# Allegro board C000PD020-3399PRO-DMEB-A-A01.brd (continued)
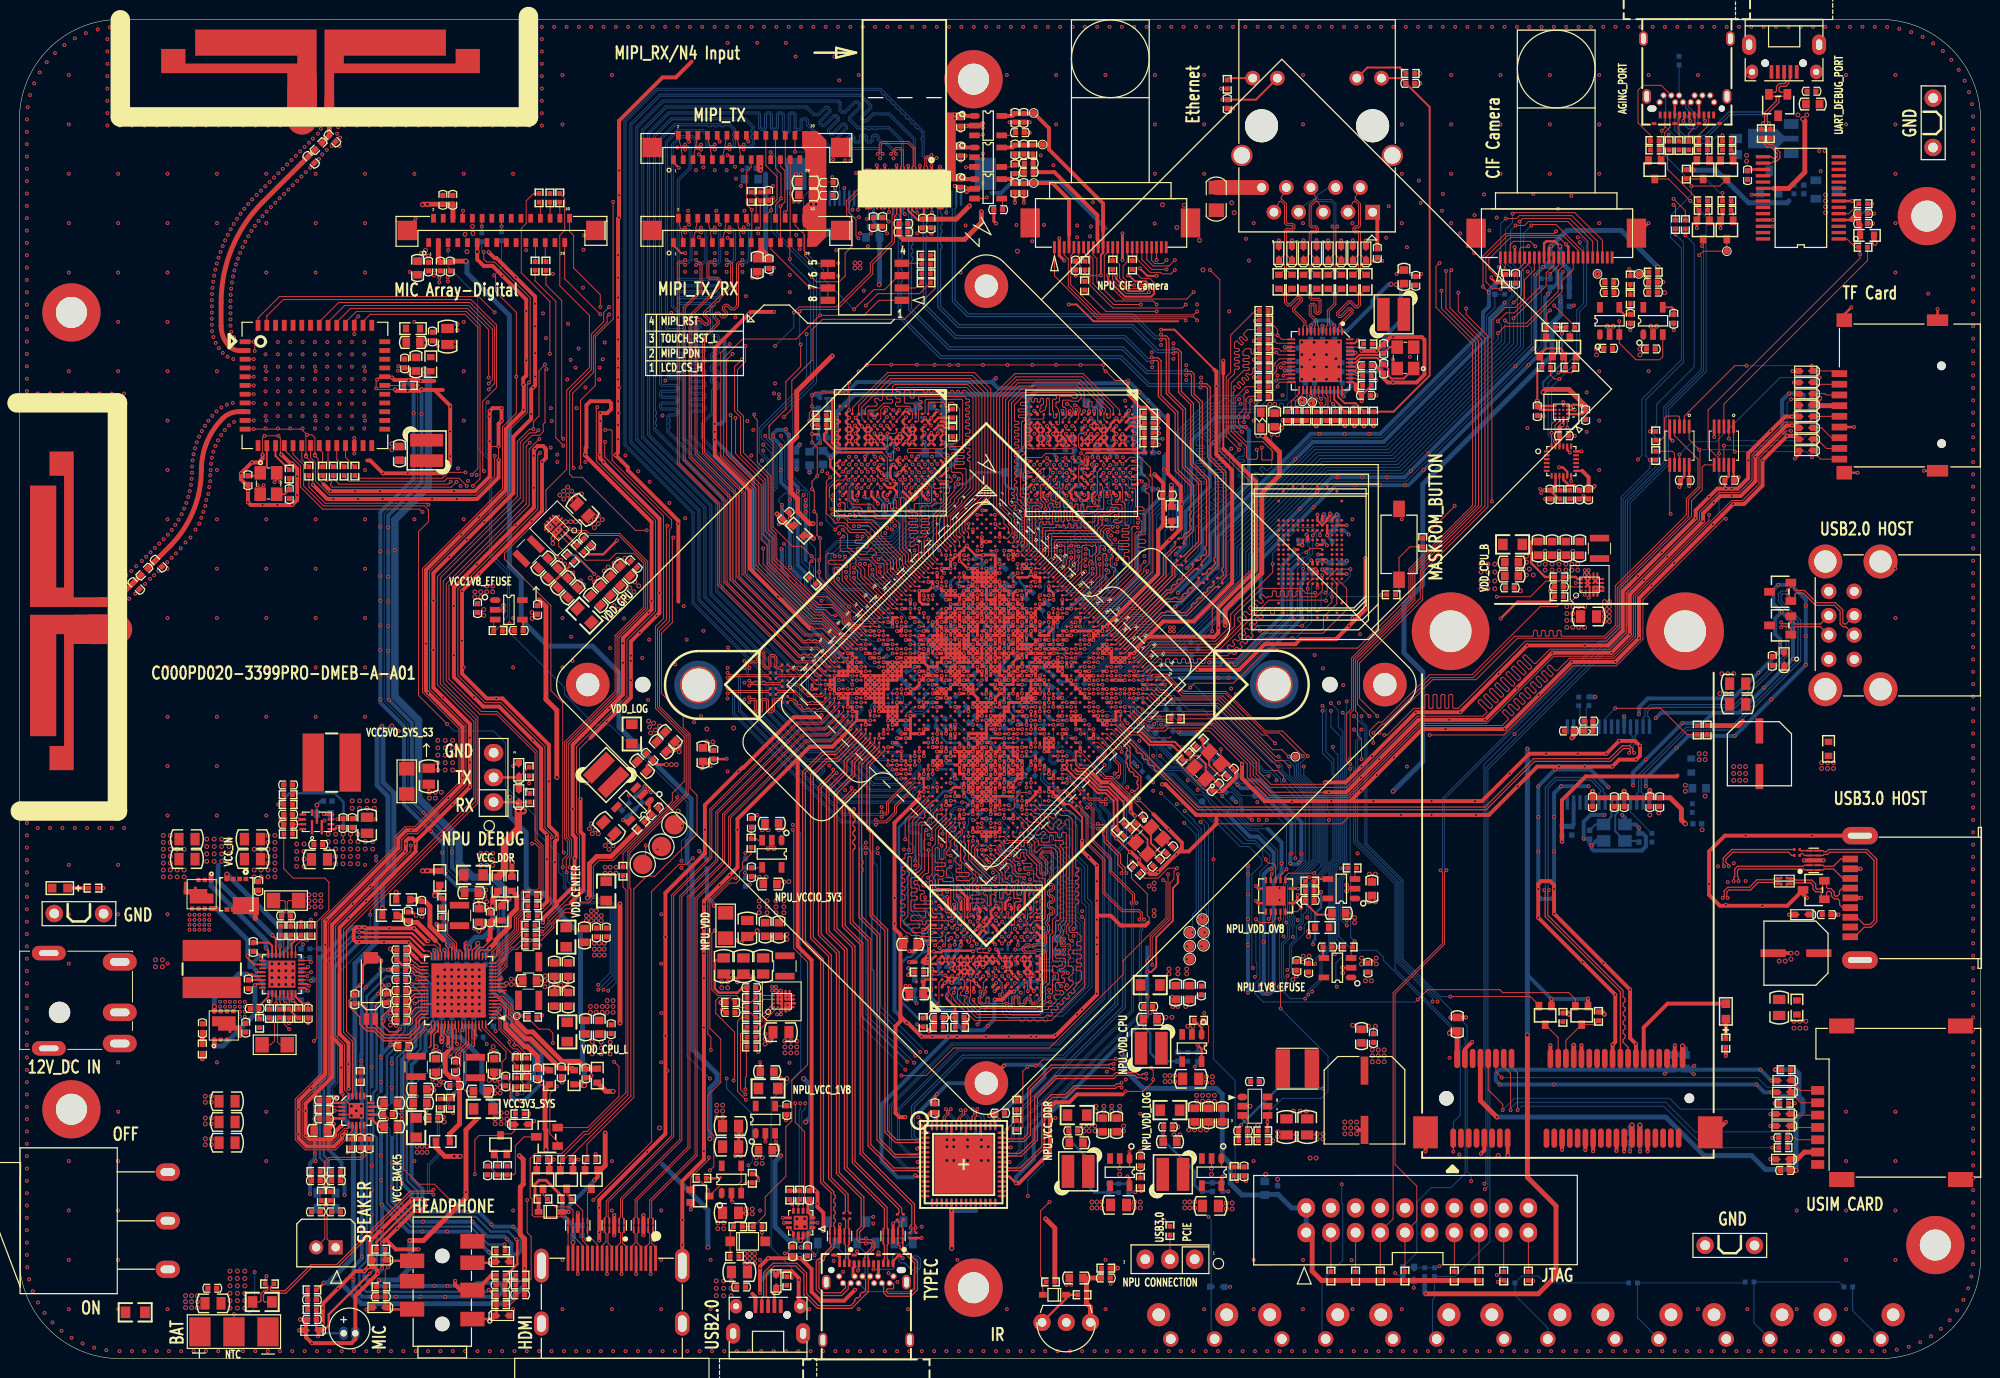
[diagram p0: board, top side]
## Routing (per net, layer and track width the routed paths; a pad name or vN(x,y) marks a point on that pad's centre or on a via; arc(x,y) is an arc through that point) (continued)
  TOP w0.305: v1(100.87,75.33) 100.41,75.33 U1000.N15 ; v1(100.87,75.33) U1000.N16 ; v1(100.87,75.33) 101.33,75.33 U1000.M16 ; U1000.P6 v1(95.36,79) ; U1000.P6 v1(96.27,79) U1000.P7 ; U1000.P6 v1(95.82,79.46) ; U1000.P6 95.82,78.54 ; v1(95.36,79) U1000.R5 v1(94.9,79.46) ; v1(95.36,79) U1000.R6 95.82,78.54 ; U1000.N21 103.17,72.11 v1(103.17,72.11) U1000.P21 102.71,72.57 v1(102.71,72.57) ; U1000.J9 99.49,79.92 99.03,79.92 ; U1000.J9 99.95,79.92 ; U1000.J9 99.49,80.38 ; U1000.J9 v1(99.49,79.46) ; U1000.AC18 v1(97.65,69.35) ; U1000.AC18 v1(96.73,69.35) ; U1000.AC18 v1(97.19,68.89) U1000.AC19 ; v1(97.65,69.35) U1000.AC19 ; v1(97.65,69.35) 98.11,69.35 98.11,68.95 ; U1000.AP8 v1(87.08,68.89) ; U1000.AP8 v1(87.54,68.43) ; U1000.AP8 v1(87.54,69.35) ; U1000.AP8 v1(88,68.89) ; v1(87.08,68.89) U1000.AR7 ; v1(87.08,68.89) 87.08,68.43 U1000.AR8 ; v1(87.08,68.89) 87.08,69.35 ; 101.79,67.05 U1000.Y25 102.25,67.51 U1000.W26 v1(103.17,67.51) ; 101.79,67.05 U1000.AA25 101.33,66.59 ; 101.79,67.05 U1000.AA26 101.33,66.59 ; U1000.AU3 v1(83.87,70.27) U1000.AT3 ; U1000.AU3 83.87,69.35 ; U1000.AU3 83.41,69.81 U1000.AV3 ; U1000.AN3 v1(85.7,72.11) ; U1000.AN3 v1(85.7,71.19) ; U1000.AN3 v1(85.24,71.65) 85.27,71.63 85.27,71.18 ; v1(85.7,72.11) U1000.AM3 ; v1(85.7,72.11) U1000.AM2 v1(85.24,72.57) ; U3100.H10 98.6,44.38 v1(98.6,44.22) 98.55,44.22 98.19,43.86 U3100.G9 ; v1(88.92,67.05) U1000.AR11 ; v1(88.92,67.05) 88.92,67.05 ; v1(88.92,67.05) 88.92,67.05 ; v1(88.92,67.05) U1000.AP12 ; U1000.AR11 v1(88.46,66.59) U1000.AR12 ; U1000.AR11 88.46,67.51 ; v1(113.5,115.78) J4800.15 v1(113.5,113.04) ; U1000.AL26 v1(97.19,61.54) U1000.AM26 ; U1000.AL26 96.73,62 ; U1000.AL26 v1(97.65,62) U1000.AK26 ; U1000.AL26 v1(97.19,62.46) ; U1000.AC25 v1(100.41,65.68) ; U1000.AC25 100.87,66.14 ; U1000.AC25 v1(99.95,66.14) U1000.AD25 ; v1(100.41,65.68) 99.95,65.68 U1000.AD25 ; v1(100.41,65.68) U1000.AD26 ; v1(100.41,65.68) 100.87,65.68 U1000.AC26 ; U1000.AT30 96.28,57.86 v1(96.27,57.86) ; U1000.AF16 v1(94.44,68.89) 94.44,68.43 U1000.AG16 ; U1000.AF16 v1(95.36,68.89) ; U1000.AF16 v1(94.9,68.43) ; 93.06,72.1 93.04,72.11 92.14,72.11 ; 93.06,72.1 U1000.AD10 v1(92.6,72.57) v1(92.6,71.65) ; 93.06,72.1 U1000.AE11 ; v1(87.54,69.35) 87.08,69.35 ; v1(87.54,69.35) U1000.AN8 ; v1(87.54,69.35) U1000.AN7 ; 87.08,69.35 v1(87.08,69.81) ; U1000.AL9 89.38,69.35 ; U1000.AL9 v1(89.38,70.27) ; U1000.AL9 88.92,69.81 ; U1000.AL9 89.84,69.81 ; 89.38,69.35 U1000.AM9 ; 89.38,69.35 U1000.AM10 88.92,68.89 ; 96.73,62 U1000.AM26 ; 96.73,62 96.73,62.46 ; v1(111.44,65.68) U1000.M38 v1(111.9,65.22) U1000.L38 ; v1(111.44,65.68) U1000.L38 ; v1(111.44,65.68) U1000.M37 v1(110.98,66.14) U1000.M36 ; U1000.AC17 96.73,70.27 v1(96.73,70.27) ; U1000.AC17 v1(96.73,69.35) ; U1000.AC17 v1(96.27,69.81) ; U1000.AV24 v1(92.6,59.7) U1000.AV23 ; U1000.AL30 v1(99.03,59.7) 98.57,59.7 U1000.AM30 ; U1000.AL30 v1(99.03,60.62) ; U1000.AL30 v1(99.49,60.16) U1000.AK30 ; U1000.AL30 v1(98.57,60.16) ; U1000.AT3 84.32,70.73 U1000.AR3 ; U1000.AT3 84.78,70.27 ; v1(105.93,63.84) U1000.Y34 ; v1(105.93,63.84) 106.39,63.84 v1(106.39,63.38) ; v1(105.93,63.84) U1000.Y33 105.47,63.84 105.47,63.38 ; U1000.Y34 105.47,63.38 ; U1000.Y34 105.93,63.38 U1000.AA35 v1(105.47,62.46) U1000.AA34 ; U1000.Y34 v1(106.39,63.38) ; 85.7,70.73 85.7,70.74 v1(85.7,71.19) ; 85.7,70.73 85.27,70.73 ; 85.7,70.73 v1(86.16,70.73) ; U1000.AG9 91.22,71.19 ; U1000.AG9 v1(91.22,72.11) U1000.AF9 ; U1000.AG9 91.68,71.65 ; U1000.AG9 v1(90.76,71.65) ; 91.22,71.19 U1000.AG10 91.68,71.65 ; 91.22,71.19 U1000.AH9 ; U1000.AG26 99.03,64.3 ; U1000.AG26 v1(99.03,63.38) 99.03,63.38 U1000.AH26 ; U1000.AG26 98.57,63.84 v1(98.57,63.84) ; U1000.AG26 99.49,63.84 U1000.AF26 ; 99.03,64.3 U1000.AG25 ; 99.03,64.3 U1000.AF26 ; U1000.Y10 v1(94.9,74.87) U1000.W9 94.9,75.33 v1(94.44,75.33) ; U1000.Y10 U1000.AA9 v1(93.98,73.95) ; U1000.Y10 U1000.AA11 ; C4810.2 v1(102.95,122.08) ; 95.82,72.57 U1000.Y12 ; 95.82,72.57 U1000.Y14 ; 95.82,72.57 U1000.AA13 ; U1000.Y12 96.27,73.49 ; U1000.Y12 v1(95.82,73.95) ; U1000.Y12 U1000.AA11 ; U1000.AJ21 v1(95.82,64.76) ; U1000.AC26 101.33,65.68 v1(101.33,65.68) U1000.AB26 ; U1000.AC26 100.87,66.14 ; U1000.AC26 v1(100.87,65.22) U1000.AD26 ; U1000.AM26 v1(96.73,61.08) ; v1(94.44,61.54) U1000.AP24 v1(94.9,61.05) 94.87,61.08 U1000.AR24 ; v1(94.44,61.54) U1000.AP23 ; v1(94.44,61.54) U1000.AR24 ; v1(94.44,61.54) U1000.AR23 v1(93.98,61.08) U1000.AR24 ; U1000.AA11 v1(94.44,73.49) ; U1000.AA11 94.9,73.03 v1(94.9,73.03) ; v1(94.44,73.49) U1000.AA10 ; v1(94.44,73.49) 94.44,73.03 U1000.AB11 ; v1(94.44,73.49) U1000.AB10 ; U1000.AA5 v1(91.68,76.25) ; 88.92,67.05 U1000.AP11 ; 88.92,67.05 U1000.AR12 ; v1(99.03,73.49) U1000.U15 v1(98.57,73.95) U1000.U14 ; v1(99.03,73.49) U1000.T16 v1(99.49,73.95) ; v1(99.03,73.49) U1000.U16 U1000.V17 ; U1000.L38 v1(112.36,65.68) 112.36,65.68 U1000.K39 112.82,66.59 U1000.J38 v1(113.28,66.59) ; U1000.AC3 89.84,76.25 U1000.AD3 ; U1000.AA12 96.27,73.03 U1000.Y13 ; U1000.AA12 95.36,73.03 U1000.Y11 ; U1000.AA12 95.36,72.57 ; U1000.AA12 v1(94.9,73.03) ; v1(98.57,60.16) U1000.AL29 98.57,60.62 v1(99.03,60.62) ; v1(98.57,60.16) U1000.AM30 ; v1(98.57,60.16) U1000.AM29 v1(98.11,59.7) ; v1(96.73,69.35) U1000.AD17 ; v1(92.6,71.65) U1000.AE11 ; v1(92.6,71.65) U1000.AF10 ; 99.49,65.22 U1000.AF26 ; 99.49,65.22 v1(99.49,65.68) U1000.AD25 ; 99.49,65.22 v1(99.95,65.22) ; U1000.AD3 v1(89.84,75.33) ; U1000.AD3 v1(89.38,75.79) ; v1(99.95,58.78) U1000.AM33 ; v1(99.95,58.78) U1000.AL32 v1(100.41,59.24) U1000.AK32 v1(100.87,59.7) U1000.AJ32 v1(101.33,60.16) U1000.AH32 v1(101.33,61.08) U1000.AG31 ; v1(99.95,58.78) 99.95,58.78 U1000.AM32 v1(99.49,58.32) ; U1000.AM33 v1(99.49,58.32) ; U1000.AM33 v1(99.95,57.86) ; C2608.2 v1(81.92,17.28) ; v1(87.54,70.27) U1000.AN7 ; v1(87.54,70.27) U1000.AM7 ; v1(87.54,70.27) U1000.AN6 ; U1000.AN7 v1(87.08,69.81) ; U1000.AN7 v1(88,69.81) ; U1000.AM38 v1(102.25,55.56) U1000.AN38 ; v1(88.46,69.35) U1000.AN8 ; v1(88.46,69.35) U1000.AM8 ; v1(88.46,69.35) U1000.AM9 ; v1(88.46,69.35) U1000.AN9 ; U1000.AN8 v1(88,68.89) ; U1000.AN8 v1(88,69.81) ; U1000.U27 v1(104.55,67.97) ; U1000.U27 103.63,67.97 ; U1000.U27 v1(104.09,67.51) U1000.V27 ; U1000.U27 v1(104.09,68.43) ; 85.27,70.73 85.24,70.71 U1000.AR4 84.78,70.27 ; 85.27,70.73 U1000.AR3 ; 85.27,70.73 85.27,71.18 ; U1000.C9 102.7,82.68 v1(102.71,82.68) ; U1000.C9 102.25,82.22 v1(102.25,82.22) ; U1000.C9 v1(102.25,83.01) 102.12,83.14 U1000.C8 ; U1000.AG25 v1(98.57,63.84) ; U1000.AG25 U1000.AH24 v1(97.65,63.84) v1(98.57,63.84) ; v1(98.57,63.84) U1000.AH26 ; v1(100.41,72.11) U1000.T19 ; v1(100.41,72.11) U1000.U19 ; v1(100.41,72.11) U1000.T18 v1(100.41,73.03) 100.41,73.03 U1000.R18 v1(100.87,73.49) U1000.P17 v1(100.87,74.41) ; U1000.B27 v1(111.44,74.87) 111.44,75.33 U1000.A27 v1(111.9,75.33) ; U1000.B27 v1(110.52,74.87) ; U1000.B27 v1(110.98,74.41) U1000.C27 ; U1000.Y16 v1(97.65,72.11) U1000.Y15 ; U1000.Y16 v1(98.11,71.65) ; U1000.Y16 97.16,71.65 ; v1(99.95,80.84) 99.49,80.84 ; v1(99.95,80.84) U1000.H9 ; v1(99.95,80.84) U1000.G9 ; 99.49,80.84 99.49,80.38 ; 99.49,80.84 v1(99.49,81.3) ; 99.49,80.84 99.03,80.84 ; v1(99.49,61.08) U1000.AK29 v1(99.03,60.62) ; v1(99.49,61.08) U1000.AK30 ; v1(99.49,61.08) U1000.AJ29 ; U1000.J7 99.03,80.84 ; U1000.J7 98.57,80.38 ; U1000.J7 v1(98.57,81.3) U1000.J6 ; U1000.J7 98.12,80.84 98.11,80.83 ; 99.03,80.84 U1000.J8 ; 89.38,66.14 89.38,66.59 ; 89.38,66.14 v1(89.84,66.14) ; 89.38,66.14 v1(89.38,65.68) U1000.AR14 ; 89.38,66.59 90.3,66.59 ; 89.38,66.59 U1000.AP12 ; 89.38,66.59 U1000.AR12 ; v1(87.54,68.43) U1000.AR8 ; v1(87.54,68.43) U1000.AR9 ; v1(87.54,68.43) U1000.AP9 ; U1000.N15 v1(100.41,74.87) ; U1000.N15 v1(100.41,75.79) U1000.N14 v1(99.95,76.25) U1000.N13 v1(99.49,76.71) ; U1000.AC15 95.82,70.73 95.82,71.19 U1000.AB15 ; U1000.AC15 v1(96.27,70.73) ; U1000.AC15 95.81,70.27 v1(95.82,70.27) U1000.AC16 ; U1000.AC15 v1(95.36,70.73) ; 100.41,77.63 U1000.L13 v1(100.87,77.17) ; 100.41,77.63 U1000.K12 ; 100.41,77.63 U1000.L12 99.95,78.09 ; 99.95,78.09 U1000.L11 U1000.K10 v1(99.49,79.46) ; 99.95,78.09 100.41,78.09 U1000.K12 ; U1000.AC19 98.06,68.89 98.11,68.95 ; U1000.AC19 97.65,68.43 v1(97.65,68.43) 98.11,68.43 ; U1000.R23 v1(103.63,70.73) ; U1000.AF9 92.14,72.11 ; U1000.AF9 91.68,71.65 ; 92.14,72.11 U1000.AF10 ; v1(87.08,65.22) 87.08,65.68 U1000.AV11 86.16,65.68 U1000.AW10 86.16,66.59 U1000.AV9 v1(85.7,66.59) U1000.AV8 v1(85.24,67.05) 85.24,67.97 ; U1000.AM23 v1(95.36,62.46) ; v1(64.64,58.58) 64.12,58.06 U2209.2 ; v1(98.11,58.78) 97.65,58.78 U1000.AP30 ; v1(98.11,58.78) U1000.AN30 ; v1(98.11,58.78) 98.11,58.32 ; U1000.L20 v1(103.63,74.41) ; U1000.AT33 v1(98.11,56.02) ; U1000.AA14 v1(95.82,72.11) ; U1000.AA14 v1(96.27,71.65) ; U1000.AA14 U1000.Y13 ; U1000.AA14 U1000.Y15 ; v1(95.82,72.11) 95.81,72.11 U1000.AA13 ; v1(95.82,72.11) U1000.AB13 ; U1000.P3 v1(94.44,80.84) ; U1000.AC23 99.49,67.51 ; U1000.AC23 v1(99.95,67.05) U1000.AB23 ; U1000.AC23 99.49,66.59 U1000.AD23 ; U1000.AC23 v1(99.03,67.05) ; 99.49,67.51 U1000.AB23 ; 99.49,67.51 U1000.AC22 ; 91.68,64.3 U1000.AR18 v1(91.22,63.84) ; 91.68,64.3 U1000.AP17 ; 91.68,64.3 U1000.AP18 v1(92.6,64.3) U1000.AN19 v1(93.06,64.76) U1000.AM19 ; 99.03,79.92 U1000.K9 v1(99.49,79.46) ; 99.03,79.92 U1000.J8 ; 99.03,79.92 98.57,79.92 U1000.K8 ; U1000.AR7 v1(86.62,68.43) ; U1000.AR7 v1(86.16,68.89) 86.16,68.43 U1000.AT7 ; v1(86.62,68.43) U1000.AT7 ; v1(86.62,68.43) U1000.AR8 ; 88.92,68.89 U1000.AM9 ; 88.92,68.89 U1000.AN10 ; 88.92,68.89 88.92,68.89 ; 88.92,68.89 88.92,68.89 ; U1000.AM9 88.92,69.81 ; 105.47,63.38 U1000.AA34 ; U1000.F32 v1(111.9,70.73) ; v1(110.52,74.87) U1000.C26 v1(108.68,74.87) U1000.E24 ; v1(110.52,74.87) U1000.C27 ; U1000.AD26 100.41,65.22 v1(99.95,65.22) ; U1000.R21 v1(102.25,71.19) U1000.T21 v1(101.79,70.73) ; U1000.T32 v1(107.31,66.14) ; U1000.AP33 v1(98.57,57.4) U1000.AP32 ; U1000.AP33 v1(99.03,57.86) ; U1000.AP33 v1(99.49,57.4) ; U1000.AP33 v1(99.03,56.94) ; U1000.AR8 v1(87.08,67.97) U1000.AR9 ; v1(104.09,76.71) U1000.H18 v1(104.55,76.25) ; v1(104.09,76.71) U1000.H17 v1(103.63,77.17) U1000.H16 v1(103.17,77.63) U1000.H15 v1(102.71,78.09) ; v1(104.09,76.71) U1000.G18 ; U1000.K12 v1(100.41,78.54) ; 89.84,69.81 U1000.AK10 90.3,70.27 ; 89.84,69.81 U1000.AK9 ; v1(89.84,66.14) U1000.AP14 ; v1(89.84,66.14) U1000.AR14 ; v1(89.84,66.14) 89.84,67.05 ; U1000.G9 v1(100.87,80.84) ; U1000.G9 v1(100.41,80.38) ; U1000.G9 v1(100.41,81.3) U1000.F8 U1000.E7 ; v1(96.73,78.54) U1000.P7 ; v1(96.73,78.54) U1000.P8 ; v1(96.73,78.54) U1000.N8 v1(97.19,79) U1000.M8 v1(97.65,79.46) U1000.L8 v1(98.11,79.92) ; U1000.P7 95.82,78.54 ; U1000.T29 v1(105.47,67.05) ; U1000.AP12 89.84,67.05 ; 89.84,67.05 U1000.AN13 ; U1000.AL8 v1(89.38,70.27) ; U1000.AL8 88.92,70.27 v1(88.92,70.73) U1000.AK8 ; U1000.AL8 88.46,70.27 ; U1000.AL8 88.92,69.81 ; v1(89.38,70.27) U1000.AK8 ; v1(89.38,70.27) U1000.AK9 ; U1000.G18 v1(104.55,77.17) U1000.F18 v1(105.01,77.63) U1000.E18 v1(105.47,78.09) ; U1000.G18 v1(104.55,76.25) ; v1(99.49,73.95) U1000.R16 v1(99.95,74.41) ; v1(99.49,73.95) U1000.R15 ; U1000.R31 v1(107.31,67.05) ; v1(109.6,70.27) U1000.J31 v1(110.06,69.81) 110.06,69.81 U1000.H31 ; v1(109.6,70.27) U1000.J30 v1(109.14,70.73) U1000.J29 ; v1(109.6,70.27) U1000.H31 ; v1(104.09,68.43) 104.09,68.43 U1000.T26 ; v1(104.09,68.43) U1000.T27 ; v1(104.09,68.43) U1000.U26 103.63,67.97 ; U1000.AJ29 v1(99.95,61.54) U1000.AH29 ; U1000.AJ29 v1(99.49,62) ; 85.24,67.97 U1000.AU6 ; 85.24,67.97 U1000.AV6 ; U1000.AU6 v1(84.78,68.43) ; U1000.AU6 v1(85.7,68.43) U1000.AT7 ; v1(102.25,76.71) U1000.K16 101.79,76.25 ; v1(107.52,112.99) 107,113.51 J4800.2 v1(107,115.28) ; U1000.K26 v1(107.31,71.65) ; U1000.K26 v1(106.39,71.65) ; U1000.K26 106.85,71.19 ; 84.78,70.27 U1000.AR3 ; 103.63,67.97 U1000.V26 103.17,67.97 v1(103.17,67.51) ; 103.63,67.97 U1000.V27 ; v1(114.66,72.57) U1000.A33 v1(114.2,72.11) U1000.B33 ; U1000.AJ8 v1(89.38,71.19) ; U1000.AJ8 v1(90.3,71.19) ; U1000.AJ8 v1(89.84,71.65) ; U1000.AJ8 v1(89.84,70.73) ; v1(89.38,71.19) U1000.AK8 ; v1(89.38,71.19) U1000.AJ7 ; v1(105.01,74.87) 105.01,74.87 U1000.J21 U1000.H22 105.93,74.67 106.39,75.13 v1(106.39,75.33) U1000.F21 ; U1000.AD25 v1(99.95,65.22) ; 90.3,66.59 U1000.AN13 ; 90.3,66.59 U1000.AP14 ; U1000.R35 108.68,65.68 ; 108.68,65.68 U1000.R34 v1(108.22,66.14) U1000.P34 ; 108.68,65.68 U1000.P34 ; 108.68,65.68 U1000.P35 ; U1000.AN33 v1(99.49,57.4) ; U1000.AN33 v1(99.03,57.86) ; U1000.AN33 v1(99.49,58.32) ; U1000.AN33 v1(99.95,57.86) ; v1(99.49,57.4) U1000.AN34 ; v1(96.73,70.27) U1000.AB16 v1(96.27,70.73) ; v1(96.73,70.27) U1000.AC16 ; v1(96.73,70.27) U1000.AB17 ; v1(90.3,65.68) U1000.AP14 ; v1(90.3,65.68) U1000.AR14 ; v1(90.3,65.68) U1000.AP15 v1(91.22,65.68) U1000.AN16 ; v1(90.3,65.68) U1000.AR15 v1(89.84,65.22) 89.84,65.68 U1000.AR14 ; U1000.T27 v1(105.01,68.43) ; U1000.T27 v1(104.55,68.89) U1000.T26 ; v1(90.3,71.19) U1000.AJ9 ; v1(90.3,71.19) U1000.AH9 ; v1(90.3,71.19) U1000.AH8 ; U1000.AN10 88.92,67.97 ; U1000.AN10 88.46,68.43 ; U1000.AE14 v1(93.98,70.27) U1000.AF13 v1(93.06,70.27) 93.06,70.27 U1000.AG13 v1(92.6,69.81) 92.6,69.35 U1000.AJ13 v1(91.68,68.89) U1000.AK13 v1(91.22,68.43) ; U1000.AV32 v1(96.73,55.56) ; U1000.R15 v1(99.95,74.41) ; U1000.R15 v1(99.49,74.87) U1000.R14 ; v1(99.95,74.41) U1000.P16 ; U1000.L26 v1(105.93,71.19) ; U1000.L26 106.85,71.19 ; U1000.L26 v1(106.39,71.65) ; v1(105.93,71.19) U1000.L25 ; v1(105.93,71.19) U1000.M25 105.47,71.19 v1(105.47,71.65) ; U1000.V17 v1(98.57,72.11) U1000.W17 ; U1000.V17 v1(99.03,71.65) ; U1000.AF17 v1(95.36,68.89) ; U1000.AF17 v1(94.9,68.43) ; U1000.AF17 v1(95.36,67.97) U1000.AF18 ; v1(95.36,68.89) U1000.AE17 95.82,68.89 v1(95.82,69.35) U1000.AD17 ; U1000.Y17 v1(98.11,71.65) ; v1(98.11,71.65) U1000.W17 ; 85.27,71.18 85.28,71.19 v1(85.7,71.19) ; U1000.AJ9 90.7,70.73 90.76,70.67 ; U1000.AJ9 90.3,70.27 ; U1000.AJ9 v1(89.84,70.73) ; 96.27,73.49 U1000.Y13 ; 96.27,73.49 U1000.W13 ; U1000.AG2 v1(87.54,74.87) ; U1000.Y13 96.73,73.03 v1(96.73,73.03) ; v1(99.03,57.86) 98.57,57.86 U1000.AP32 ; v1(99.03,57.86) U1000.AN32 v1(99.49,58.32) ; U1000.AJ16 v1(93.06,67.51) U1000.AK16 v1(92.6,67.05) ; U1000.AV3 v1(83.41,68.89) U1000.AV4 ; U1000.AV3 83.87,69.35 ; U1000.AV3 v1(82.95,69.35) ; U1000.C12 103.17,81.3 v1(103.17,81.3) ; U1000.C12 103.63,81.3 v1(104.09,81.3) ; U1000.C12 v1(103.63,81.76) ; v1(99.03,67.05) U1000.AD23 ; v1(99.03,67.05) U1000.AC22 ; v1(99.03,67.05) U1000.AD22 ; U1000.AD23 v1(99.03,66.14) U1000.AE23 ; U1000.AD23 98.57,66.59 ; U1000.V5 92.92,77.63 92.6,77.95 U1000.V3 v1(92.6,79) U1000.U3 93.52,79 v1(93.98,79.46) 93.98,79.46 U1000.R3 v1(93.52,79.92) ; U1000.B33 v1(113.74,71.65) U1000.C33 ; U1000.B33 v1(113.28,72.11) ; U1000.AK8 v1(89.84,70.73) ; U1000.V27 v1(103.17,67.51) ; U1000.P26 v1(104.55,69.81) U1000.R25 U1000.T26 ; U1000.P26 105.01,70.27 v1(105.01,70.27) ; U1000.P26 v1(105.47,69.81) 105.47,69.81 U1000.P27 v1(105.93,69.35) ; v1(107.31,70.73) U1000.L27 106.85,71.19 ; v1(107.31,70.73) U1000.K27 106.85,71.19 ; v1(107.31,70.73) U1000.L28 107.77,70.27 U1000.L29 v1(108.22,69.81) U1000.L30 v1(108.68,69.35) U1000.L31 v1(109.14,68.89) U1000.L32 v1(109.6,68.43) U1000.L33 v1(110.06,67.97) ; U1000.C21 v1(108.22,77.17) ; v1(101.33,69.35) 100.87,69.35 v1(100.87,69.81) U1000.W21 ; v1(101.33,69.35) U1000.V23 102.25,69.35 U1000.U23 102.25,70.27 v1(102.25,70.27) U1000.U22 v1(101.79,70.73) ; v1(101.33,69.35) U1000.W23 v1(101.33,68.43) 100.87,68.43 100.41,67.97 v1(100.41,67.51) 100.41,67.51 U1000.AB23 ; 99.95,79.92 v1(99.95,79.92) ; 99.95,79.92 v1(99.95,79.92) ; 99.95,79.92 U1000.H10 ; U1000.AT38 v1(100.87,54.19) U1000.AR38 ; U1000.AT38 v1(100.41,53.73) ; U1000.AT38 100.41,54.19 99.95,54.19 ; U1000.N32 v1(108.68,67.51) ; U1000.AN30 v1(98.57,59.24) U1000.AM30 ; U1000.AN30 v1(98.11,59.7) ; U1000.AN30 v1(97.65,59.24) ; U1000.AV29 v1(95.36,56.94) v1(95.36,56.94) ; 98.57,80.38 U1000.L6 v1(97.19,80.84) ; 98.57,80.38 U1000.J8 ; 98.57,80.38 U1000.K8 ; U1000.AA34 105.47,62.92 U1000.Y35 106.39,63.38 v1(106.39,63.38) ; U1000.J6 98.11,80.83 ; U1000.J6 98.11,81.3 v1(97.65,81.3) ; 98.11,80.83 v1(98.11,79.92) ; v1(104.42,97.53) 104.76,97.19 U3600.T2 ; v1(87.08,69.81) U1000.AN6 ; U1000.AP32 98.11,57.86 ; 88,67.97 88,67.51 88.46,67.51 ; 88,67.97 88.92,67.97 ; 88,67.97 U1000.AR9 ; 88,67.97 U1000.AP9 ; v1(98.11,79.92) 98.11,79.92 U1000.K8 ; v1(88,68.89) U1000.AN9 ; v1(88,68.89) 88,68.43 U1000.AP9 ; v1(104.55,71.65) U1000.M23 v1(105.01,72.11) U1000.M24 ; v1(104.55,71.65) U1000.M24 ; v1(104.55,71.65) U1000.N23 ; v1(96.85,48.18) 96.85,48.11 97.54,47.42 U3100.F12 ; U1000.AP11 88.92,67.97 ; U1000.AP11 88.46,67.51 ; U1000.Y14 v1(97.19,72.57) U1000.Y15 ; U1000.Y14 U1000.AA15 ; U1000.Y14 v1(96.73,73.03) ; C4820.2 v1(103.96,126.15) ; C4809.2 v1(102.44,123.45) ; U1000.AR21 v1(93.06,62) ; 88.92,69.81 88.92,69.81 ; 88.92,69.81 U1000.AM8 ; 88.92,69.81 88.92,69.81 ; v1(106.39,57.86) U1000.AE40 105.93,58.32 v1(105.93,58.32) U1000.AE39 ; U1000.R38 v1(110.52,63.84) U1000.P38 ; U1000.AY2 v1(81.57,68.89) U1000.AY1 ; U1000.H9 v1(100.41,80.38) ; U1000.H9 99.49,80.38 ; U1000.H9 v1(99.95,79.92) ; v1(100.41,80.38) U1000.H10 ; U1000.W17 98.57,71.65 v1(99.03,71.65) ; 99.49,80.38 U1000.J8 ; v1(101.79,70.73) U1000.U21 ; U1000.AA10 U1000.Y11 ; U1000.AA10 v1(93.98,73.95) ; U1000.AA10 U1000.Y9 v1(94.44,75.33) ; U1000.Y11 v1(95.36,74.41) ; U1000.AD35 v1(104.55,60.62) ; C4847.2 v1(103.35,123.56) ; U1000.C33 v1(113.28,72.11) ; U1000.C33 v1(112.82,71.65) ; v1(113.28,72.11) U1000.C32 ; v1(100.87,77.17) U1000.L14 v1(101.33,76.71) ; v1(100.87,77.17) U1000.K14 v1(101.33,76.71) ; U1000.AV6 v1(84.78,68.43) ; U1000.AV6 v1(84.32,67.97) U1000.AV5 ; U1000.AC22 98.57,67.51 v1(98.57,67.51) ; C4803.2 v1(103.95,127.22) ; 100.87,66.14 U1000.AB26 ; 101.33,66.59 U1000.AB26 ; U1000.W32 105.44,64.78 v1(105.01,64.78) ; U1000.H31 v1(110.52,70.27) ; v1(100.87,74.41) U1000.N17 v1(101.33,74.87) ; v1(100.87,74.41) U1000.N16 ; v1(100.87,74.41) U1000.P16 ; U1000.AJ7 v1(88.92,71.65) ; U1000.AJ7 v1(89.84,71.65) ; v1(96.27,71.65) U1000.AA15 ; v1(96.27,71.65) U1000.AB15 ; v1(101.33,76.71) U1000.L15 ; U1000.P35 v1(109.14,66.14) U1000.P34 ; U1000.P35 v1(109.6,65.68) ; U1000.AH26 v1(98.57,62.92) U1000.AJ26 v1(98.11,62.46) U1000.AK26 ; v1(101.89,127.22) C4804.2 v1(102.9,127.22) ; 83.87,69.35 U1000.AV4 ; U1000.AB11 v1(93.98,73.03) ; U1000.AB11 v1(94.9,73.03) ; v1(93.98,73.03) U1000.AC11 ; v1(93.98,73.03) 93.98,73.03 U1000.AB10 ; v1(90.3,74.87) U1000.AD5 v1(90.76,75.33) ; v1(99.03,60.62) U1000.AK30 ; v1(93.98,73.95) U1000.AB10 ; v1(93.98,73.95) U1000.AB9 93.52,73.49 v1(93.52,73.49) U1000.AB10 ; 112.36,72.57 112.36,72.11 ; 112.36,72.57 v1(111.9,72.57) ; 112.36,72.57 v1(112.36,73.03) U1000.C30 ; 112.36,72.11 U1000.C32 ; 112.36,72.11 U1000.D32 v1(112.82,71.65) ; U1000.E4 v1(99.48,84.06) U1000.D5 ; U1000.E4 v1(99.03,84.52) ; U1000.E4 v1(99.03,83.6) ; U1000.AR24 v1(94.44,60.62) ; v1(86.16,70.73) U1000.AN5 v1(86.62,70.27) U1000.AN6 ; v1(86.16,70.73) U1000.AN4 v1(85.7,71.19) ; 90.3,70.27 U1000.AJ10 90.76,70.67 ; 90.3,70.27 U1000.AK9 ; U1000.AN13 v1(90.3,67.51) U1000.AM13 ; U1000.N16 v1(100.41,74.87) ; U1000.N16 v1(101.33,74.87) ; U3100.K10 100.51,44.25 100.51,44.1 U3100.L9 100.79,43.79 100.43,43.43 v1(100.41,43.43) ; 102.71,59.7 U1000.AG35 103.17,60.11 ; 102.71,59.7 U1000.AG34 103.12,60.16 103.17,60.11 ; 102.71,59.7 v1(102.25,59.24) ; U1000.C17 v1(105.93,79.46) ; U1000.AG16 v1(93.98,68.43) ; U1000.AG16 v1(94.9,68.43) ; C4811.2 v1(103.41,122.54) ; U1000.AK26 v1(97.19,62.46) ; U1000.AL24 v1(96.27,62.46) 96.73,62.46 ; U1000.AH29 v1(99.95,62.46) ; U1000.AH29 v1(99.49,62) ; v1(99.95,62.46) U1000.AG28 ; v1(99.95,62.46) U1000.AH28 v1(99.49,62) ; v1(113.74,69.81) U1000.E35 v1(112.82,69.81) U1000.F34 ; U1000.M10 v1(98.57,78.54) ; 88.92,68.89 U1000.AN9 ; v1(100.41,74.87) U1000.P16 ; 96.73,62.46 v1(97.19,62.46) ; U1000.L25 v1(106.39,71.65) ; U1000.L25 v1(105.47,71.65) ; v1(111.44,73.03) U1000.D30 v1(111.9,72.57) ; v1(111.44,73.03) U1000.C30 ; v1(111.44,73.03) U1000.C29 v1(111.9,73.49) 111.9,73.03 U1000.C30 ; v1(111.44,73.03) U1000.D29 ; v1(94.89,81.3) 95.35,81.3 U1000.M3 95.81,81.3 v1(95.81,81.3) 95.81,81.76 U1000.L3 v1(95.82,82.22) 95.99,82.22 96.3,82.53 v1(96.3,82.68) ; U1000.AN26 v1(96.73,61.08) ; v1(96.73,61.08) U1000.AN27 96.73,60.16 U1000.AN28 v1(97.19,59.7) U1000.AN29 ; U1000.C38 v1(116.04,69.35) ; U1000.AH9 90.76,70.67 ; U1000.AH9 v1(90.76,71.65) ; U1000.C30 v1(111.9,72.57) ; v1(96.27,70.73) U1000.AC16 ; v1(96.27,70.73) U1000.AB15 ; v1(99.01,54.19) 99.49,54.19 ; v1(99.01,54.19) 99.01,54.19 U1000.AV36 v1(98.11,54.19) U1000.AV35 ; v1(99.01,54.19) 99.03,54.16 U1000.AV37 U1000.AU38 99.95,54.19 ; 99.49,54.19 U1000.AV38 ; 99.49,54.19 99.95,54.19 ; U3100.D12 96.24,46.66 v1(96.19,46.71) ; U1000.AG5 v1(88.92,73.49) ; U1000.C32 v1(112.82,71.65) ; U1000.Y20 v1(99.49,70.27) v1(99.49,71.19) U1000.W18 v1(99.03,71.65) ; U1000.AE12 U1000.AD13 94.44,71.65 U1000.AC13 94.9,72.11 U1000.AB13 ; U1000.AE12 v1(93.52,70.73) ; U1000.AE12 U1000.AE11 ; 100.87,84.98 v1(100.87,84.52) ; U1000.AP30 v1(97.65,59.24) ; U1000.AP30 v1(97.65,58.32) 98.11,58.32 ; v1(97.65,59.24) U1000.AN29 ; v1(99.95,79.92) U1000.J10 v1(99.49,79.46) ; U1000.AN34 v1(99.95,57.86) ; U1000.AN34 v1(99.95,56.94) ; U1000.AN34 v1(100.41,57.4) U1000.AM34 v1(99.95,57.86) ; 103.17,60.11 U1000.AF34 v1(103.17,61.08) U1000.AE33 v1(102.71,61.54) U1000.AE32 102.27,62 102.24,62.04 102.24,62.92 U1000.AE30 v1(101.33,62.92) U1000.AE29 ; 98.11,58.32 98.11,57.86 ; U1000.AA13 95.36,72.57 ; U1000.AM30 v1(98.11,59.7) ; U1000.M24 v1(105.47,71.65) ; U1000.H25 v1(107.77,73.03) ; U1000.AD22 v1(98.11,67.05) U1000.AD21 v1(98.57,67.51) ; U1000.AD22 v1(98.57,67.51) ; U1000.AD22 98.57,66.59 ; C4807.2 v1(103.35,118.93) ; U1000.AV5 v1(84.78,68.43) ; U1000.AV5 v1(83.87,68.43) U1000.AV4 ; U3100.J12 v1(99.21,46.5) ; U1000.AP17 v1(91.22,64.76) ; U1000.AP17 U1000.AN16 ; U1000.AM8 v1(88,69.81) ; U1000.AM8 88.46,70.27 ; v1(98.57,67.51) 98.57,67.97 98.11,68.43 ; v1(88,69.81) U1000.AM7 ; U1000.AA15 97.16,71.65 ; 101.33,75.79 U1000.L15 ; 101.33,75.79 U1000.L16 101.79,76.25 ; 101.33,75.79 U1000.M16 ; U1000.L15 101.79,76.25 ; U1000.AH8 v1(90.76,71.65) ; U1000.AH8 v1(89.84,71.65) ; 88.46,67.51 88.46,68.43 ; 88.46,68.43 U1000.AN9 ; 88.46,68.43 U1000.AP9 ; U1000.AC16 v1(96.27,69.81) ; U2602.8 U2602.3 89.89,13.88 v1(89.91,13.89) ; U1000.AK5 v1(87.54,72.11) ; 97.16,71.65 97.19,71.69 U1000.Y15 ; U1000.P12 v1(98.57,76.71) U1000.P11 v1(98.11,77.17) U1000.P10 v1(97.65,77.63) ; U1000.AC38 v1(106.39,59.7) U1000.AD38 ; U1000.E21 v1(107.31,76.25) ; U1000.E21 v1(106.85,76.71) ; U1000.E21 v1(106.39,76.25) ; U1000.E21 v1(106.85,75.79) U1000.F21 ; v1(101.33,74.87) U1000.M16 ; v1(102.25,59.24) U1000.AJ35 102.25,58.78 v1(101.79,58.78) U1000.AJ34 v1(102.25,59.24) ; v1(89.84,70.73) U1000.AK9 ; 95.36,72.57 U1000.AB13 ; 98.11,84.98 v1(98.11,85.31) ; v1(95.82,77.63) U1000.T8 v1(95.36,77.17) U1000.U8 94.9,76.71 U1000.V8 v1(94.44,76.25) U1000.W8 v1(94.44,75.33) ; v1(84.42,13.8) 84.39,13.78 U2601.3 U2601.8 ; U1000.C27 v1(110.52,73.95) U1000.D27 ; U1000.E37 v1(114.66,68.89) ; 98.11,68.43 98.11,68.95 ; 88.46,70.27 U1000.AM7 ; U1000.AE23 98.57,66.59 ; U1000.AE23 v1(98.57,65.68) ; U1000.AN29 v1(98.11,59.7) ; v1(99.8,51.06) 99.49,51.37 U1000.AY40 ; U1000.A40 v1(117.88,69.35) ; U3100.T12 104.04,46.45 v1(103.94,46.56) ; U1000.AF10 91.68,71.65 ; v1(106.39,76.25) U1000.F21 ; v1(106.39,76.25) U1000.F20 v1(105.93,76.71) ; U1000.A1 v1(99.09,87.28) ; U1000.C36 v1(115.12,70.27) ; v1(96.73,73.03) U1000.W13 ; v1(110.07,97.48) 110.07,97.27 U3600.H2 ; U1000.W13 v1(96.73,73.95) ; U2600.9 v1(78.66,13.98) ; U1000.H10 100.87,79.92 v1(100.87,79.92) U1000.H11 v1(101.33,79.46) U1000.H12 101.79,79 U1000.H13 ; U1000.F15 v1(103.63,79) U1000.E15 ; C4808.2 v1(102.44,118.93) ; U1000.AD17 v1(96.27,69.81) ; v1(109.14,62.46) U1000.U38 ; U1000.AA3 v1(90.81,77.17) ; v1(104.55,76.25) U1000.H19 ; U1000.Y3 v1(91.68,78.09) ; U1000.U12 v1(97.19,75.33) 97.19,75.33 U1000.U11 v1(96.73,75.79) U1000.T10 v1(96.73,76.71) ; U3600.D12 112.56,89.09 v1(112.84,88.81) ; v1(100.51,116.8) 100.26,117.05 C4823.2 ; U1000.K18 v1(103.17,75.79) ; U1000.AM16 v1(91.68,66.14) U1000.AN16 ; 98.11,57.86 v1(98.11,57.86) ; U1000.C20 v1(107.31,78.09) ; v1(102.25,73.95) U1000.N19 v1(101.79,73.49) U1000.P19 ; U1000.C15 105.01,80.38 105.01,80.38 U1000.C14 v1(104.55,80.84) ; v1(97.19,62.46) U1000.AK25 ; U1000.C23 v1(109.14,76.25) ; U1000.AF38 v1(105.01,58.32) U1000.AG38 104.55,58.05 103.9,57.4 U1000.AJ38 v1(103.63,56.94) ; U1000.J36 v1(112.36,67.51) ; U1000.H34 v1(111.9,68.89) ; U1000.AB32 v1(104.09,62.92) ; U1000.L22 v1(105.01,73.03) 105.01,73.03 U1000.K22 v1(105.47,73.49) ; U1000.K20 v1(104.09,74.87) ; U1000.V10 v1(95.82,75.79) ; U1000.AM21 v1(94.44,63.4) ; U1000.U35 v1(107.31,64.3) ; U1000.AF20 v1(96.27,67.05)